# Altium PCB sanziqi.PcbDoc (part 2 of 2)
Units mil, origin at the board's own origin, x right, y up, seen from the top; angles counter-clockwise.
Board outline 5221.3 x 3930 mil, 2 copper layers (Top Layer, Bottom Layer); 136 components, 168 nets, 517 pads, 898 vias.
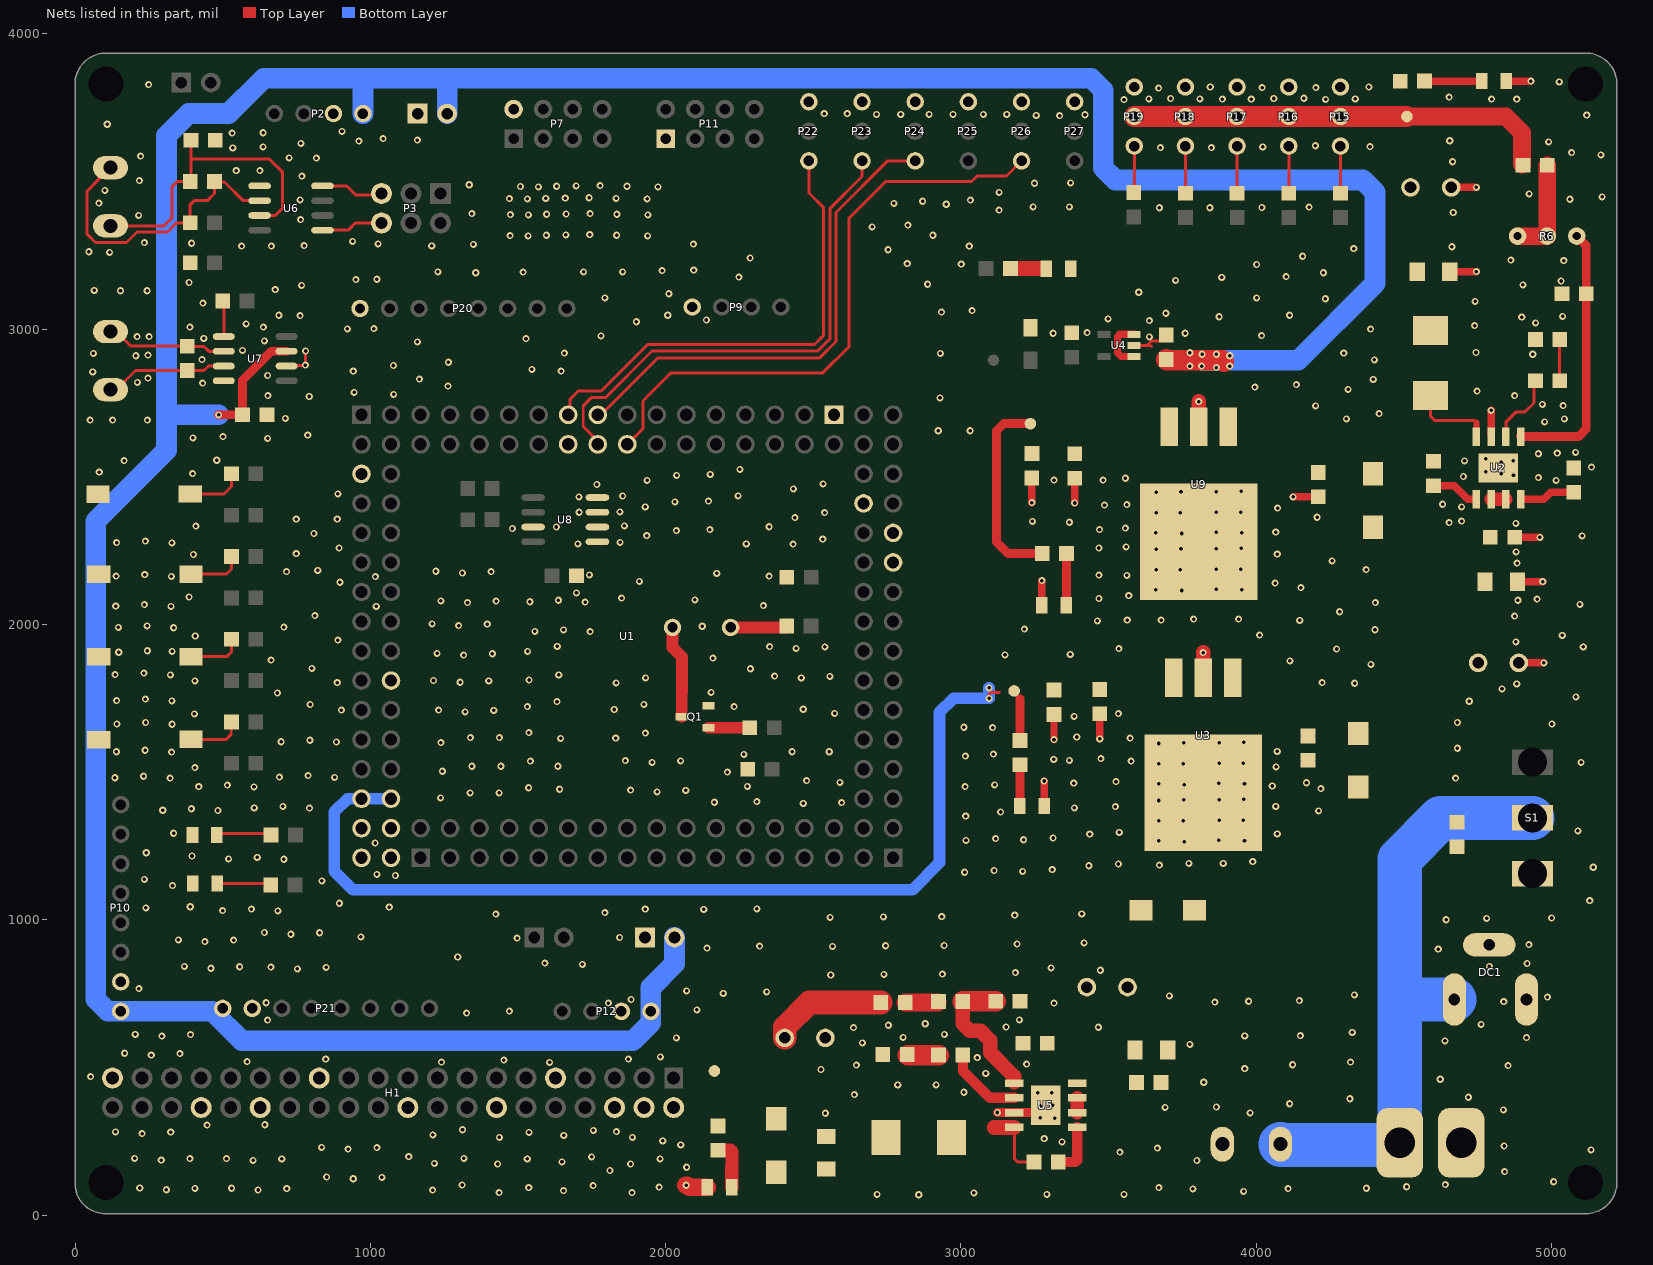
[diagram p2: the nets of this part, all layers, seen from the top]

## Via types
v1: diameter 24, hole 12, Top Layer to Bottom Layer, tented both sides, 837 vias
v2: diameter 24, hole 12, Top Layer to Bottom Layer, 61 vias

## Nets (pads, with @x,y where several pads share a name; then routed paths per layer and width w, separated by ;. In a path a pad name is that pad's centre, name@x,y a point inside that pad or via, vN(x,y) a via of type N, cw(c..) or ccw(c..) an arc to the next point about the centre after c; other vN are vias at no path point) (continued)
G11: P26.1 U1.110 | length 2042.5
  Top Layer w10: U1.110@1870,2610 1923,2663 1923,2757 1946,2780 2018,2852 2532,2852 2621.5,2941.5 2621.5,3376.5 2745,3500 3036,3500 3055,3519 3154,3519 P26.1@3205,3570
G12: P24.1 U1.111 | length 1687.2
  Top Layer w10: U1.111@1770,2710 1781,2710 1974,2903 2522,2903 2577,2958 2577,3395 2752,3570 P24.1@2845,3570
G13: P23.1 U1.112 | length 1728.1
  Top Layer w10: U1.112@1770,2610 1770,2621 1721,2670 1721,2741 1748,2768 1796,2768 1954,2926 2515,2926 2556,2967 2556,3408 2665,3517 P23.1@2665,3570
G14: P22.1 U1.113 | length 1615.7
  Top Layer w10: U1.113@1670,2710 1676,2716 1676,2763 1703,2790 1781,2790 1939,2948 2504,2948 2535,2979 2535,3411 2485,3461 P22.1@2485,3570
G15: U1.114
GND: C1.2 C3.1 C4.2 C5.1 C6.1 C8.1 C9.2 C10.1 C11.1 C12.1 C13.1 C14.2 C15.2 C16.2 C17.1 C18.1 C19.2 C20.2 C21.1 C22.1 C23.1 C24.1 C25.1 C26.1 C27.1 C28.2 DC1.2 DC1.3 DCIN1.2 H1.6 H1.9 H1.14 H1.20 H1.25 H1.30 H1.34 H1.39 LED1.2 LED2.2 LED3.2 LED4.2 LED5.2 LED6.2 LED7.2 M1.1 M2.1 M3.1 M4.1 P1.2 P2.2 P5.1 P7.2 P9.1 P10.2 P11.1 P12.2 P13.1 P15.3 P16.3 P17.3 P18.3 P19.3 P20.1 P21.2 P22.3 P23.3 P24.3 P25.3 P26.3 P27.3 Q1.2 R1.1 R3.1 R7.1 R22.2 R26.2 R39.1 SW1.2 SW2.2 SW3.2 SW4.2 U1.29 U1.30 U1.31 U1.32 U1.85 U1.88 U1.95 U2.0 U2.7 U3.2 U3.4 U4.2 U5.0 U5.7 U6.5 U7.2 U7.8 U8.1 U8.2 U8.3 U8.4 U8.7 U9.2 U9.4 | length 1840
  Top Layer w10: U7.2@716.26,2875 717.76,2876.5 778.5,2876.5 v1(780,2878) 780.5,2878.5 780.5,2925.5 v1(781,2926) ; U4.2@3586.18,2945 3630,2945 ; 3645,2942 3642,2945 3630,2945 ; C14.2@3695,2980 3675,2960 3645,2960 3630,2945
  Top Layer w25: v1(3240,2412.35) C24.1@3240,2496 ; LED7.2@3273.65,2065 v1(3273.65,2148.65) ; LED3.2@3281.35,1386.35 v1(3281.35,1470) ; v1(3315,1610) C13.1@3315,1693.65 ; v1(3385,2411.35) C23.1@3385,2495 ; v1(3469.9,1612.3) C12.1@3469.9,1695.95 ; v1(4124.9,2432.3) C22.1@4208.55,2432.3 ; C8.1@4661.35,3195 v1(4745,3195) ; C9.2@4661.35,3480 v1(4745,3480) ; U2.7@4795,2641.35 v1(4795,2725) ; LED2.2@4846.35,3840 v1(4930,3840) ; C6.1@4876.35,2295 v1(4960,2295) ; C5.1@4886.35,2145 v1(4970,2145) ; C4.2@4890.25,1870 v1(4973.9,1870)
  Top Layer w30: v2(3123.5,347.5) 3124,347 U5.7@3180.7,347 3262,347 U5.0@3287,372
  Top Layer w50: U9.2@3805,2671.26 v1(3805,2754.91) ; U3.2@3820,1821.26 v1(3820,1904.91)
  Top Layer w60: v1(2069,101) 2072.79,101 2079.79,94 LED1.2@2140.65,94
  other v1: 2857,69 2716,70 3291,70 3552,70 3044,75 1436,76 1886,76 3957,80 1654,83 620,85 1210.74,84.89 309.11,85.74 3785,89 717,90 4108,90 406.11,90.74 530,91 4373,91 219.11,91.74 1536.26,93.11 3670,93 1978,95 4509,96 1754.26,100.11 1311,102 4640,103 5007,113 942,123 1039,128 852,129 4841,147 1811,151 2071,162 1431,173 1881,173 1216.74,174.89 1649,180 602.89,185.26 3799.01,184.91 292,186 699.89,190.26 1531.26,190.11 1981.26,190.11 389,191 512.89,191.26 202,192 1317,192 1749.26,197.11 1130,198 3538,213 5134,221 924.89,223.26 3665,227 1021.89,228.26 834.89,229.26 4839,234 2051,238 3342,248 1990,251 3282,259 1437,263 1887,263 1655,270 1211.74,271.89 227,276 1537.26,280.11 324,281 137,282 1833,283 1755.26,287.11 1312,289 447,305 643,306 2541,345 3979,346 4837,356 3691,365 3865,366 4113,377 4317,394 4718,399 2639,408 3010,416 2786,441 2916,441 3822,450 4623,460 53,469 3084,480 2526,493 3961,496 4853,506 2646,508 4123,509 3222,511 1607,517 1241,518 4319,518 583,520 1452,525 849,528 1874,528 3055,533 1982,536 258,542 355,547 168,548 3775,578 2666,583 4639,590 2036,600 4915,601 2804,602 294,606 3961,607 4149,608 391,611 204,612 2944,612 4325,619 2636,635 3465,636 3153,637 2754,643 4761,646 2879,648 652,660 3198,661 1326,684 1471,691 2106,695 1806,718 3315,718 647,719 3860,721 4838,723 3974,724 4146,726 1883,730 4986,738 3706,742 4332,746 2195,751 2342,756 2071,759 216,767 2559,813 2739,815 2937,816 3184,821 3472,829 753,834 460,836 3305,837 850,839 663,840 557,841 370,842 4789,842 1718,849 4917,852 1591,853 1296,874 4616,901 2140,904 2565,910 2318,911 2745,912 2943,913 4923,916 3190,918 3417,922 440,926 537,931 350,932 1497,938 1844,940 968,942 731,951 828,956 641,957 4643,1000 4780,1005 5000,1006 2557,1008 2737,1010 2935,1011 3182,1016 1425,1019 3409,1020 1794,1024 687,1030 500,1031 2129,1035 597,1036 1931,1036 2309,1037 240,1040 1064,1043 390,1044 895,1056 5129,1065 330,1116 836,1132 235,1137 1085,1150 1022,1154 3012.01,1160.91 3209.01,1163.91 3112.01,1166.91 3309.01,1169.91 5141,1178 3433.01,1182.91 3672.01,1184.91 3533.01,1188.91 3772.01,1190.91 3888.01,1190.91 3988.01,1196.91 707,1205 520,1206 617,1211 396,1216 241,1227 1016,1260 3017.01,1268.91 3212.01,1270.91 3117.01,1274.91 3312.01,1276.91 3436.01,1289.91 4071,1291 334,1293 3536.01,1295.91 5089,1301 3016,1351 3134,1365 4211,1369 484,1370 297,1371 394,1376 794,1378 607,1379 3384,1379 3523,1383 704,1384 4066,1384 2466,1394 2596,1397 2165,1398 2309,1400 1237.74,1412.89 1338,1430 1435.74,1429.89 1971,1433 2068,1438 1881,1439 1641,1442 4219,1444 1536,1447 606,1450 419,1451 3014,1451 2277,1452 4054,1453 516,1456 3114,1457 3382,1463 4170,1464 2590,1465 3525,1468 2477,1471 322,1480 4675,1480 135,1481 879,1482 692,1483 232,1486 789,1488 2209,1500 1243.74,1502.89 406,1515 4067,1518 1344,1520 1441.74,1519.89 1635,1520 1953.89,1533.26 5100,1533 1542,1537 3576,1537 2050.89,1538.26 1863.89,1539.26 3367,1540 3314,1543 3474,1546 3015,1554 2265,1560 3110,1561 327,1568 140,1569 2428,1569 2554,1569 4071,1570 237,1574 4681,1581 1238.74,1599.89 885,1602 698,1603 795,1608 1644,1614 1831,1615 3573,1615 1339,1617 1436.74,1616.89 3392,1619 1931.26,1632.11 1537,1634 3107,1651 3010,1652 329,1662 142,1663 5001,1663 239,1668 4681,1668 3383,1689 404,1697 3533,1698 2572,1699 1321,1704 1418,1709 902,1710 1231,1710 1826,1712 2466,1713 1531.74,1721.89 2232,1722 796,1729 1926.26,1729.11 1632,1739 4721,1740 328,1741 141,1742 238,1747 5082,1755 685,1768 2154,1770 4832,1782 4882,1799 4333,1801 1832,1802 888,1803 4223,1803 1303.89,1804.26 406,1809 1400.89,1809.26 1213.89,1810.26 1537.74,1811.89 1932.26,1819.11 2459,1819 2556,1824 2369,1825 323,1829 1638,1829 136,1830 233,1835 2287,1850 802,1851 4388,1865 4114,1877 664,1879 2160,1886 1316,1896 3149,1897 3370,1899 1413,1901 1226,1902 148,1906 329,1909 1532.74,1908.89 245,1911 4272,1917 3535,1918 2441.89,1919.26 2538.89,1924.26 5107,1924 2351.89,1925.26 1633,1926 4879,1941 890,1947 407,1961 5036,1963 4011,1964 1744.11,1975.74 1557.11,1976.74 1654.11,1981.74 4402,1982 3215,1984 334,1989 147,1990 707,1991 2124,1994 244,1995 1298.89,1996.26 1395.89,2001.26 1208.89,2002.26 3462,2012 4147,2014 3563,2015 3678,2015 3788,2018 3940,2018 4875,2028 812,2030 4282,2043 325,2061 1020,2061 138,2062 2331,2064 235,2067 5096,2068 1329,2074 4403,2074 1727,2076 1540,2077 1426,2079 1239,2080 1637,2082 4886,2082 2099,2083 4951,2086 3467,2088 1851,2089 386,2093 3568,2098 1698,2107 4151,2125 4064,2140 897,2143 1911,2146 1017,2162 326,2163 139,2164 2350,2164 3562,2166 3467,2167 1742,2168 236,2169 2173,2173 1311.89,2174.26 716,2179 1408.89,2179.26 1221.89,2180.26 822,2183 4372,2186 4883,2208 4257,2215 401,2237 4071,2238 749,2240 4880,2246 894,2259 3467,2259 3559,2263 2431.74,2271.89 1703,2273 2273,2273 328,2276 141,2277 1846,2278 238,2282 2532,2289 5103,2300 1936,2301 809,2308 4066,2313 2036.26,2318.11 2150,2321 3469,2321 1481,2325 3557,2326 1630,2330 2350,2331 409,2333 1860,2334 4879,2342 4653,2345 3367,2346 3242,2349 4695,2350 749,2357 888,2357 2437.74,2361.89 4206,2363 2538,2379 1707,2380 1845,2381 4072,2394 1931,2398 4695,2398 3486,2404 3562,2406 4631,2407 2031.26,2415.11 2145,2418 1706,2432 1854,2435 2245.26,2435.11 890,2442 2432.74,2458.89 1767,2474 2533,2476 1937,2488 5015,2488 3315,2489 3481,2489 3557,2495 4955,2497 4701,2501 2037.26,2505.11 2151,2508 398,2511 82,2516 2251.26,2525.11 5135,2533 4705,2554 166,2555 480,2556 4955,2578 5019,2580 5081,2583 652,2630 399,2632 501,2636 788,2641 2923,2656 3031,2656 4976,2686 51,2692 127,2692 245,2692 4305,2696 5043,2696 712,2698 4416,2714 4201,2740 5039,2741 4969,2745 2929,2767 793,2772 653,2775 4875,2775 1079,2779 945,2786 4748,2790 4311,2796 3995,2804 1263,2807 4136,2812 432,2817 211,2820 4396,2830 1166,2831 247,2834 652,2843 60,2855 942,2858 1646,2858 1547,2864 1078,2877 1264,2888 4400,2896 430,2897 206,2910 247,2912 4936,2915 62,2918 2930,2918 1657,2919 4296,2919 4744,2921 567,2928 1159,2957 641,2960 1527,2968 436,2969 3638,2974 210,2975 251,2975 1781,2977 4018,2978 3312,2986 3759,2986 3427,2988 4387,3000 922,3001 1012,3002 389,3007 638,3007 4739,3012 579,3018 4946,3021 1901,3025 3638,3029 2138,3031 3498,3035 4899,3041 3874,3042 5037,3043 762,3046 690,3047 2007,3047 4113,3047 3694,3054 2934,3058 3038,3063 433,3088 4741,3094 4234,3103 1794,3106 4001,3106 2011,3120 3602,3125 154,3130 244,3130 65,3131 678,3134 767,3148 4903,3150 2887,3152 386,3158 5032,3163 3727,3165 951,3168 1022,3169 3883,3175 2248,3176 4101,3178 1357,3191 4227,3191 1517,3193 1229,3194 1722,3194 1854,3194 1988,3198 2095,3200 4001,3219 3001,3220 2818,3222 5041,3232 4862,3234 2286,3241 4157,3247 117,3260 47,3262 2753,3269 4330,3273 4662,3279 564,3281 665,3281 3028,3281 1208,3282 776,3283 1349,3287 2094,3288 1026,3289 395,3291 235,3293 940,3297 1534,3316 1939,3316 1473,3317 1596,3318 1834,3318 2905,3318 1662,3319 1743,3320 2699,3346 2820,3352 764,3371 215,3385 1535,3387 1940,3387 1474,3388 1597,3389 1835,3389 1663,3390 1344,3391 1744,3391 4667,3395 3129,3403 3672,3411 3843,3411 4019,3412 4179,3413 3244,3414 3367,3414 2950,3423 2773,3426 81,3427 2870,3433 3032,3437 762,3438 5062,3440 1532,3441 1937,3441 1471,3442 1594,3443 1832,3443 1660,3444 1741,3445 5171,3448 4924,3458 3129,3463 101,3470 1569,3482 1974,3482 1508,3483 1631,3484 1869,3484 1697,3485 1778,3486 1335,3489 3249,3494 3371,3495 218,3503 768,3518 546,3537 626,3537 4665,3567 817,3579 725,3580 222,3586 5167,3590 5068,3598 534,3614 3675,3615 3848,3615 637,3617 4022,3617 4385,3618 4200,3621 765,3629 4990,3634 961,3637 4655,3638 1159,3640 1043,3645 532,3664 637,3665 904,3670 109,3694 3334,3723 3255,3724 5119,3725 3420,3726 2714,3727 2796,3727 2892,3727 2973,3727 3076,3727 3155,3727 2537,3730 2615,3730 3552,3777 4235,3778 3885,3779 3983,3779 4797,3779 4882,3779 3636,3780 3809,3780 4335,3780 3710,3781 4059,3781 4161,3782 4653,3786 3669,3816 4020,3818 4202,3818 3844,3820 4381,3820 249,3828 5026,3837
  other v2: 3317,328 3268,329 3268,371 3311,372 3260,415 3308,415 3756,1265 3669,1267 3960,1267 3873,1269 3670,1335 3752,1335 3874,1337 3956,1337 3670,1404 3754,1406 3874,1406 3958,1408 3756,1458 3669,1460 3960,1460 3873,1462 3670,1528 3752,1528 3874,1530 3956,1530 3670,1597 3754,1599 3874,1599 3958,1601 3747,2115 3660,2117 3951,2117 3864,2119 3661,2185 3743,2185 3865,2187 3947,2187 3661,2254 3745,2256 3865,2256 3949,2258 3747,2308 3660,2310 3951,2310 3864,2312 3661,2378 3743,2378 3865,2380 3947,2380 3661,2447 3745,2449 3865,2449 3949,2451 4871,2506 4830,2510 4777,2517 4830,2550 4870,2555 4777,2561
MCU_3V3: U1.83
NetB1_1: B1.1 R20.2 | length 192.1
  Top Layer w10: R20.2@2405,1990 R20.2@2410,1995
  Top Layer w40: B1.1@2220,1990 R20.2@2405,1990
NetB1_2: B1.2 Q1.3 | length 316
  Top Layer w40: B1.2@2023.15,1990 2023.15,1921.85 2055,1890 2055,1770 2054.45,1769.45 Q1.3@2054.45,1687.4
NetC1_1: C1.1 C25.2 C26.2 D1.K U5.2 U5.3 | length 50
  Top Layer w45: U5.2@3393.3,347 U5.3@3393.3,397
NetC2_1: C2.1 U5.1 | length 177.3
  Top Layer w35: C2.1@3329.7,179.9 3387.44,179.9 3393.3,185.76 U5.1@3393.3,297
NetC2_2: C2.2 L1.1 U5.8 | length 250
  Top Layer w10: 3109,293 3113,297 ; U5.8@3180.7,297 3180.7,191.3 3192,180 C2.2@3247,180
  Top Layer w50: 3113,297 U5.8@3180.7,297
NetC3_2: C3.2 D2.A L1.2
NetC7_1: C7.1 U2.1 | length 164.2
  Top Layer w25: C7.1@4600,2470 4670,2470 4716.3,2423.7 U2.1@4745,2423.7
NetC7_2: C7.2 L2.1 U2.8 | length 281.2
  Top Layer w10: L2.1@4590,2774.76 4590,2705 4605,2690 4739.14,2690 4745,2684.14
  Top Layer w20: U2.8@4745,2636.3 4745,2684.14
NetC10_2: C10.2 R4.2 | length 139.9
  Top Layer w10: R4.2@5027.3,2825.2 5027.3,2964.5 C10.2@5027.7,2964.9
NetC11_2: C11.2 D3.K U3.1
NetC22_2: C22.2 D4.K U9.1
NetC27_2: C27.2 R2.2 | length 106.6
  Top Layer w10: C27.2@2818,543.94 C27.2@2820.14,541.8
  Top Layer w70: C27.2@2820.14,541.8 R2.2@2923.7,541.8
NetLED1_1: LED1.1 R40.1 | length 170.1
  Top Layer w45: R40.1@2177.2,219.7 2218.7,219.7 2224.56,213.84 2224.56,165.8 2223.35,164.59 LED1.1@2223.35,94
NetLED2_1: LED2.1 R9.1 | length 195.7
  Top Layer w10: LED2.1@4758.65,3845 LED2.1@4763.65,3840
  Top Layer w25: R9.1@4575.32,3840 LED2.1@4763.97,3840
NetLED3_1: LED3.1 R10.1 | length 143
  Top Layer w10: LED3.1@3200,1392.3 LED3.1@3207.3,1385
  Top Layer w30: LED3.1@3200,1392.3 R10.1@3200,1525
NetLED4_1: LED4.1 R11.1 | length 122
  Top Layer w10: LED4.1@3282.5,3205.2 LED4.1@3287.3,3210
  Top Layer w50: R11.1@3167.3,3205.2 LED4.1@3282.5,3205.2
NetLED5_1: LED5.1 R23.1 | length 183.5
  Top Layer w10: LED5.1@481.35,1123 657.5,1123 R23.1@662.7,1117.8
NetLED6_1: LED6.1 R24.1 | length 189.1
  Top Layer w10: LED6.1@484,1292 659,1292 R24.1@669,1282
NetLED7_1: LED7.1 R37.1 | length 176.3
  Top Layer w10: LED7.1@3357.3,2067.7 LED7.1@3360,2065
  Top Layer w30: LED7.1@3357.3,2067.7 R37.1@3357.3,2240.2
NetP6_1: P6.1 R26.1 R27.2 U6.7 | length 1072.9
  Top Layer w10: P6.1@120,3350 301,3350 329,3378 329,3483 346,3500 R27.2@390,3500 392.7,3502.7 392.7,3576 ; R26.1@392.7,3639.8 392.7,3576 ; U6.7@625,3385 678,3385 703,3410 703,3531 658,3576 392.7,3576
NetP6_2: P6.2 R25.2 R27.1 U6.6 | length 1027.3
  Top Layer w10: P6.2@120,3546.85 118.92,3546.85 87.16,3515.1 87.16,3514.01 41,3467.85 41,3321 69,3293 174,3293 210,3329 313,3329 344,3360 R25.2@390,3360 390,3421 404,3435 448,3435 472.3,3459.3 R27.1@472.3,3500.2 473.94,3498.56 506.44,3498.56 570,3435 U6.6@625,3435
NetP8_1: P8.1 R28.2 U7.7 | length 416.9
  Top Layer w10: P8.1@120,2795 139.68,2795 204.68,2860 R28.2@380,2860 437,2860 452,2875 U7.7@503.74,2875
NetP8_2: P8.2 R28.1 U7.6 | length 411.4
  Top Layer w10: P8.2@120,2991.85 139.68,2991.85 189.24,2942.3 R28.1@379.8,2942.3 381.1,2941 437,2941 453,2925 U7.6@503.74,2925
NetP15_1: P15.1 R32.2 | length 160
  Top Layer w10: R32.2@4285,3460 P15.1@4285,3620
NetP16_1: P16.1 R33.2 | length 160
  Top Layer w10: R33.2@4110,3460 P16.1@4110,3620
NetP17_1: P17.1 R34.2 | length 160
  Top Layer w10: R34.2@3935,3460 P17.1@3935,3620
NetP18_1: P18.1 R35.2 | length 160
  Top Layer w10: R35.2@3760,3460 P18.1@3760,3620
NetP19_1: P19.1 R36.2 | length 167
  Top Layer w10: R36.2@3578.79,3456.29 R36.2@3584.8,3462.3 3586.81,3464.31 P19.1@3586.81,3620
NetQ1_1: Q1.1 R21.2 | length 141.9
  Top Layer w10: R21.2@2274.8,1645.2 R21.2@2285,1635
  Top Layer w40: Q1.1@2145,1650 R21.2@2272.5,1650
NetR1_2: R1.2 U5.4
NetR2_1: R2.1 U5.6 | length 265.8
  Top Layer w35: R2.1@3006,542 3006.62,541.38 3006.62,488.38 3098,397 U5.6@3180.7,397
NetR3_2: R3.2 U2.4 | length 190.1
  Top Layer w25: U2.4@4895,2423.7 4973.7,2423.7 4997.7,2447.7 R3.2@5075.2,2447.7
NetR4_1: R4.1 U2.6 | length 247.7
  Top Layer w10: U2.6@4845,2636.3 4845,2685 4880,2720 4910,2720 4940,2750 4940,2820 R4.1@4945,2825
NetR5_1: R5.1 R6.1 R6.ADJ | length 340
  Top Layer w60: R6.1@4885,3315 R6.ADJ@4985,3315 R5.1@4985,3555
NetR6_2: R6.2 R7.2 U2.5 | length 899.1
  Top Layer w30: U2.5@4895,2636.3 5091.3,2636.3 5117.3,2662.3 R7.2@5117.3,3120.2 5117.3,3282.7 R6.2@5085,3315
NetR8_1: R8.1 R38.2 | length 114.2
  Top Layer w10: R38.2@2921,720 R38.2@2924,723
  Top Layer w60: R8.1@2811,720 R38.2@2921,720
NetR12_2: R12.2 SW1.1 | length 187.4
  Top Layer w10: SW1.1@392.31,1890.79 513.79,1890.79 530,1907 R12.2@530,1950
NetR13_2: R13.2 SW2.1 | length 186.9
  Top Layer w10: SW2.1@392.31,2170.79 513.29,2170.79 530,2187.5 R13.2@530,2229.8
NetR14_2: R14.2 SW3.1 | length 193.1
  Top Layer w10: SW3.1@390.31,2441.79 504.79,2441.79 530,2467 R14.2@530,2510
NetR15_2: R15.2 SW4.1 | length 186
  Top Layer w10: SW4.1@392.31,1610.79 511.79,1610.79 529,1628 529,1668.8 R15.2@530,1669.8
NetR29_1: R29.1 U7.5 | length 121.5
  Top Layer w10: R29.1@500,3095 503.74,3091.26 U7.5@503.74,2975
NetR38_1: R38.1 R39.2 U5.5 | length 481.3
  Top Layer w45: U5.5@3180.7,447 3180.7,468.99
  Top Layer w50: R38.1@3006.3,723.2 3006.3,647.7 3030,624 3066,624 3099,591 3099,550.69 3180.7,468.99
  Top Layer w70: R38.1@3006.3,723.2 3007.1,724 3117.5,724 R39.2@3117.7,723.8
NRST: U1.20
RS485_RX: P3.5 U6.4 | length 213.8
  Top Layer w10: U6.4@838,3485 920,3485 950,3455 1033.42,3455 P3.5@1037.64,3459.21
RS485_TX: P3.6 U6.1 | length 209.7
  Top Layer w10: U6.1@838,3335 925,3335 949.21,3359.21 P3.6@1037.64,3359.21
VBAT: C4.1 C5.2 C6.2 C18.2 D1.A D3.A D4.A S1.3 U2.2 U2.3 | length 50
  Top Layer w45: U2.2@4795,2423.7 U2.3@4845,2423.7
VCBAT: U1.5
VCC: DC1.1 DCIN1.1 P1.1 S1.2 | length 2062.9
  Bottom Layer w25: 4485.67,725.34 4490.34,730.01
  Bottom Layer w150: P1.1@4081.85,240 4084.35,237.5 4478.17,237.5 DCIN1.1@4485.67,245 4485.67,725.34 4485.67,1205.67 4625,1345 S1.2@4935,1345 ; 4490.34,730.01 DC1.1@4670.92,730.01
VCC_5V: C14.1 C20.1 C23.2 C24.2 P2.1 P5.2 P10.1 P12.1 P13.2 P21.1 R37.2 T6.1 U4.1 U4.3 U7.3 U9.3 | length 12624
  Top Layer w25: U4.1@3586.18,2907.6 3542.6,2907.6 3530,2920.2 3530,2975 3537.4,2982.4 U4.3@3586.18,2982.4
  Top Layer w30: v1(486,2710) C20.1@567,2710 567,2827 665,2925 U7.3@716.26,2925 ; T6.1@3235,2680 3145,2680 3120,2655 3120,2280 3160,2240 R37.2@3275,2240
  Top Layer w70: C14.1@3694.9,2897.3 3697.2,2895 3770,2895 ; 3780,2895 3883.76,2895 3889.62,2889.14
  Bottom Layer w70: v1(486,2710) 315,2710 310,2715 ; P2.1@975,3730 975,3835 ; P5.2@1260,3730 1260,3850 ; P13.2@2030,940 2030,850.86 1950,770.86 P12.1@1950,690 1950,651.01 1888.99,590 565,590 465,690 P10.1@155,690 111.01,690 70,731.01 70,2350 310,2590 310,2715 ; 3816.78,2895 4141.9,2895 4401.9,3155 4401.9,3463.99 4360.89,3505 3522.9,3505 3481.9,3546.01 3481.9,3808.99 3440.89,3850 1260,3850 ; 310,2715 310,3655 385,3730 520,3730 640,3850 1260,3850
  other v1: 3865,2870 3775,2875 3815,2875 3910,2875 3910,2910 3816.78,2915.09 3865,2915 3775,2920
VCC_5V_MCU: C12.2 C13.2 R10.2 T4.1 U1.27 U1.28 U3.3 | length 3482.8
  Top Layer w10: v1(3095,1750) 3095,1764.14 3100.86,1770 3130,1770 ; T4.1@3180,1775 3180,1767.05 3199.8,1747.25
  Top Layer w30: R10.2@3199.8,1607.3 3199.8,1747.25
  Bottom Layer w40: U1.28@1070,1410 U1.27@970,1410 923,1410 878,1365 878,1165 941,1102 2836,1102 2927,1193 2927,1702 2975,1750 v1(3095,1750) v1(3095,1785)
VCC_Servo: C8.2 C9.1 L2.2 P15.2 P16.2 P17.2 P18.2 P19.2 R5.2 R9.2 T2.1 | length 1447.3
  Top Layer w10: R5.2@4900,3557.5 R5.2@4902.7,3554.8
  Top Layer w60: T2.1@4510,3720 4845,3720 4900,3665 R5.2@4900,3557.5
  Top Layer w70: P19.2@3586.81,3720 P18.2@3760,3720 P17.2@3935,3720 P16.2@4110,3720 P15.2@4285,3720 T2.1@4510,3720
VCC_smp_5V: C28.1 D2.K H1.2 H1.4 R8.2 R40.2 T1.1 | length 396.4
  Top Layer w80: C28.1@2403.1,600 2403.1,636.1 2486.8,719.8 R8.2@2728.7,719.8
pads on no net: H1.1 H1.3 H1.5 H1.7 H1.11 H1.12 H1.13 H1.15 H1.16 H1.17 H1.18 H1.19 H1.21 H1.22 H1.23 H1.24 H1.26 H1.27 H1.28 H1.29 H1.31 H1.32 H1.33 H1.35 H1.36 H1.37 H1.38 H1.40 P7.4 P7.5 P7.6 P10.5 P10.6 P10.7 S1.1 U1.90 U4.4

## Polygon pours and split planes (outlines as drawn)
GND on Top Layer "GND_L01_P051" (solid, remove dead copper, pour order 51): 50,3950 5199,3950 5233,3916 5233,57 5167,-9 79,-9 -11,81 -11,3888 1,3900
NetC3_2 on Top Layer "NETC3_2_L01_P042" (solid, remove dead copper, pour order 42): 2669,361 2675,361 2804,361 2829,336 2829,177 2832,174 2795,137 2669,137 2598,66 2325,66 2293,98 2293,207 2314,228 2606,228 2644,266 2644,361
NetC2_2 on Top Layer "NETC2_2_L01_P040" (solid, remove dead copper, pour order 40): 3130.86,316.86 3137,323 3219,323 3229,313 3229,231 3284,231 3291,224 3291,143 3272,124 3133,124 3093,164 2895,164 2874,185 2874,324 2908,358 3069,358 3087.28,339.72
NetR1_2 on Top Layer "NETR1_2_L01_P047" (solid, remove dead copper, pour order 47): 3266,631 3267,630 3382,630 3454,558 3454,457 3433.5,436.5 3433.5,425 3355,425 3351,421 3247,525 3247,634
VCC_smp_5V on Top Layer "VCC_SMP_5V_L01_P046" (solid, remove dead copper, pour order 46): 2103,527 2110,534 2241,534 2241,274 2220,253 2216,257 2093,257 2052,298 2048,294 1885,294 1870,309 1870,406 1879,415 2075,415 2082,422 2082,524
VCC_smp_5V on Top Layer "VCC_SMP_5V_L01_P045" (solid, remove dead copper, pour order 45): 2289,254 2465,254 2467,252 2475,260 2475,671 2438,708 2263,708 2256,701 2197,701 2103,607 2103,447 2128,422 2276,422 2276,258 2277,257
NetC1_1 on Top Layer "NETC1_1_L01_P039" (solid, remove dead copper, pour order 39): 3559,1115 3650,1115 3665,1100 3665,829 3644,808 3644,501 3634,491 3635,490 3635,319 3355,319 3347,327 3347,417 3355,425 3512,425 3515,428 3515,1101
NetC22_2 on Top Layer "NETC22_2_L01_P021" (solid, remove dead copper, pour order 21): 4480,2450 4300,2450 4275,2475 4115,2475 4025,2565 3855,2565 3850,2570 3850,2755 3865,2770 4090,2770 4215,2645 4450,2645 4480,2615
VCC_Servo on Top Layer "VCC_SERVO_L01_P018" (solid, remove dead copper, pour order 18): 4660,2925 4680,2945 4680,3045 4600,3125 4600,3700 4595,3705 4595,3740 4535,3800 4535,3910 4520,3925 4440,3925 4425,3910 4425,2975 4475,2925
NetC7_2 on Top Layer "NETC7_2_L01_P017" (solid, remove dead copper, pour order 17): 4775,2605 4760,2590 4670,2590 4655,2575 4655,2525 4640,2510 4550,2510 4540,2520 4540,2680 4490,2730 4490,2835 4505,2850 4665,2850 4685,2830 4685,2705 4690,2700 4755,2700 4775,2686.67
VCC_5V on Top Layer "VCC_5V_L01_P034" (solid, remove dead copper, pour order 34): 3735,2950 3915,2950 3915,2830 3730,2830
VCC_5V on Top Layer "VCC_5V_L01_P024" (solid, remove dead copper, pour order 24): 3760,2660 3760,2585 3735,2560 3655,2560 3630,2535 3180,2535 3165,2550 3165,2745 3205,2785 3445,2785 3530,2870 3530,2915 3540,2925 3745,2925 3750,2920 3750,2850 3730,2830 3600,2830 3480,2710 3335,2710 3335,2645 3525,2645 3640,2760 3755,2760
3V3 on Top Layer "3V3_L01_P025" (solid, remove dead copper, pour order 25): 3485,2945 3525,2945 3525,2885 3515,2875 3455,2875 3435,2855 3315,2855 3295,2835 3065,2835 3040,2860 3040,2910 3070,2940 3170,2940 3190,2960 3325,2960 3330,2955 3475,2955
VCC_5V_MCU on Top Layer "VCC_5V_MCU_L01_P020" (solid, remove dead copper, pour order 20): 3775,1750 3735,1710 3575,1710 3550,1735 3060,1735 3060,1855 3130,1855 3555,1855 3620,1920 3760,1920 3775,1905
NetC11_2 on Top Layer "NETC11_2_L01_P019" (solid, remove dead copper, pour order 19): 4415,1580 4405,1570 4135,1570 4085,1620 4085,1655 4020,1720 3880,1720 3865,1735 3865,1900 3885,1920 4045,1920 4120,1845 4200,1765 4405,1765 4415,1755
VBAT on Top Layer "VBAT_L01_P006" (solid, remove dead copper, pour order 6): 4521.43,2310 4810,2310 4810,2055 4533.57,2055
VBAT on Top Layer "VBAT_L01_P005" (solid, remove dead copper, pour order 5): 4450,2060 4450,2230 4325,2230 4260,2295 4260,2390 4285,2415 4545,2415 4615,2345 4615,2125
VBAT on Top Layer "VBAT_L01_P004" (solid, remove dead copper, pour order 4): 4327,1171.88 4327,1480 4605,1480 4490,1365 4490,1153.08
VBAT on Top Layer "VBAT_L01_P003" (solid, remove dead copper, pour order 3): 4245,1525 4245,1385 4270,1360 4510,1360 4510,1525
VBAT on Top Layer "VBAT_L01_P002" (solid, remove dead copper, pour order 2): 3675,845 3720,800 4390,800 4635,1045 4635,1310 4326,1310 4156,1140 3737,1140 3681.3,1084.3
VBAT on Top Layer "VBAT_L01_P001" (solid, remove dead copper, pour order 1): 5085,1250 4775,1250 4730,1295 4645,1295 4645,1730 4690,1775 4775,1775 4830,1830 4830,2335 4875,2380 4875,2455 4860,2470 4765,2470 4765,2375 4450,2060 4450,1230 4635,1045 5045,1045 5085,1085
GND on Bottom Layer "GND_L02_P050" (solid, remove dead copper, pour order 50): 50,3950 69,3931 5214,3931 5243,3902 5243,92 5131,-20 5126,-15 81,-15 -16,82 -6,92 -6,3888
VCC_5V on Bottom Layer "VCC_5V_L02_P033" (solid, remove dead copper, pour order 33): 3735,2950 3735,2830 3915,2830 3915,2950

## Keep-outs
Keep-Out Layer:
  lines w50: 0,3813.43 cw(c105.78,3829.22) 90,3935 5120,3935 cw(c5118.15,3831.85) 5221.3,3830 5221.3,110 cw(c5115.65,110.65) 5115,5 100,5 cw(c100,105) 0,105 0,3835

## Other copper
Top Layer:
  pour cut-out: 2688.42,364.47 2819.42,364.47 2837.42,346.47 2837.42,141.47 2856.42,122.47 3023.42,122.47 3023.42,150.47 3027.42,154.47 3022.42,159.47 2870.42,159.47 2870.42,198.47 2866.42,202.47 2869.42,205.47 2869.42,345.47 2887.42,363.47 3025.42,363.47 3025.42,402.47 2688.42,402.47
  pour cut-out: 2688,365 2819,365 2837,347 2837,142 2856,123 3023,123 3023,151 3027,155 3022,160 2870,160 2870,199 2866,203 2869,206 2869,346 2887,364 3025,364 3025,403 2688,403
  pour cut-out: 4454,2930 4456.68,2930 4471.1,2915.58 4663.9,2915.58 4689.42,2941.1 4689,2941.52 4689,3021 4720,3021 4726,3015 4726,2751 4723,2748 4695,2748 4695,2793 4691,2797 4692.21,2798.21 4692.21,2837.21 4673.42,2856 4509.2,2856 4505,2860.2 4487.01,2842.21 4482.79,2842.21 4482.79,2750.79 4481,2749 4479,2751 4452,2751
Bottom Layer:
  pour cut-out: 2688,402 3025,402 3025,124 3023,122 3022,123 2689,123
  pour cut-out: 2688,364 2819,364 2837,346 2837,141 2856,122 3023,122 3023,150 3027,154 3022,159 2870,159 2870,198 2866,202 2887,223 2887,363 3025,363 3025,402 2688,402
  pour cut-out: 4460,3015 4722,3015 4720,3013 4720,2753 4461,2753 4460,2754

## Silkscreen, mask and mechanical layers (free items; w line width, h text height)
Top Overlay:
  lines w10: 2374,3623 2376,3625 2376,3721 ; 2376,3622 2374,3620 2550,3620 2548,3618 3433,3618 3434.21,3619.21 3434.21,3719.21 3436,3721 2376,3721 ; 3432,3819 2377,3819 2376,3818 2376,3721 ; 3450,3871 3446,3867 3446,3771 3457,3760 4334,3760 4334,3862 4325,3871 3457,3871 ; 3537.6,3669.21 4412.79,3669.21 4420,3676.42 4420,3767 4414,3761 4325,3761 ; 4334,3669.42 4334.21,3669.21
  text "A3RX" at 693.64,3855.63 h40
  text "A3" at 533.38,3845.2 h40
  text "B15" at 2206.3,3816.27 h40 r90
  text "G6" at 2315.3,3815.27 h40 r90
  text "G" at 3510,3813 h40 r90
  text "G7" at 2115.3,3811.27 h40 r90
  text "G" at 1466.06,3807.69 h40
  text "RX" at 1763,3807 h60
  text "3V3" at 2019,3802 h40 r90
  text "A2TX" at 598,3800 h40
  text "5V" at 1219.73,3797.92 h40
  text "5V" at 942,3797 h40
  text "G" at 1142.73,3796.92 h40
  text "G" at 865,3796 h40
  text "G" at 2420,3765 h40 r90
  text "A2" at 260,3738 h40
  text "Servo" at 4827,3679 h40
  text "A" at 50,3660 h60
  text "3V3" at 2428,3596 h40 r90
  text "G" at 2023,3550 h40 r90
  text "3V3" at 1744,3544 h40
  text "TX" at 1427,3542 h40
  text "3V3" at 1533,3541 h40
  text "VCC_Servo" at 4404,3540 h40 r90
  text "A2" at 1105,3520 h60
  text "RX" at 1003,3519 h60
  text "G8" at 2117.3,3518.27 h40 r90
  text "B13" at 2219,3486 h40 r90
  text "B14" at 2320,3484 h40 r90
  text "G9" at 3406,3435 h40 r90
  text "RX" at 1337,3430 h60 r90
  text "G13" at 2681.17,3411.42 h40 r90
  text "G12" at 2857.17,3411.42 h40 r90
  text "G10" at 3044.17,3410.42 h40 r90
  text "G11" at 3218.17,3408.42 h40 r90
  text "G14" at 2505.17,3407.42 h40 r90
  text "TX" at 1333,3323 h60 r90
  text "A3" at 1109,3263 h60
  text "A1" at 4306,3263 h40 r90
  text "TX" at 1016,3260 h60
  text "C9" at 3601,3235 h40 r90
  text "C7" at 3958,3233 h40 r90
  text "C8" at 3783,3231 h40 r90
  text "C6" at 4129,3223 h40 r90
  text "B" at 54,3180 h60
  text "8266" at 1266,3171 h60 r90
  text "RS485" at 1015,3143 h60 r90
  text "3V3" at 3278,3110 h40
  text "CANL" at 45,3108 h60
  text "G" at 2110,2980 h40 r90
  text "G" at 981,2975 h60 r90
  text "F1" at 1386,2951 h40 r90
  text "B8" at 2303.3,2949.27 h40 r90
  text "B9" at 2412.3,2949.27 h40 r90
  text "F5" at 1677.3,2944.27 h40 r90
  text "F4" at 1478.3,2941.27 h40 r90
  text "F3" at 1575.3,2940.27 h40 r90
  text "F0" at 1183,2938 h40 r90
  text "F2" at 1277.3,2937.27 h40 r90
  text "3V3" at 2210,2905 h40 r90
  text "3V3" at 1084,2899 h40 r90
  text "CANH" at 48,2623 h60
  text "E3" at 202.4,2528.92 h40
  text "E4" at 196,2268 h40
  text "5V" at 3437,2045 h40
  text "E6" at 194.4,1983.92 h40
  text "A0" at 202.4,1697.92 h40
  text "D12" at 2411.62,1486.87 h40
  text "INT/E14" at 225,1405 h40
  text "C3" at 537,1271 h40
  text "MCU_5V" at 3142,1193.66 h40
  text "ON / OFF" at 4783,1152 h50 r90
  text "C1" at 550,1105 h40
  text "G" at 1943,1032 h40 r90
  text "C11" at 1664.97,1015.23 h40 r90
  text "5V" at 2056.13,1013.62 h40 r90
  text "C10" at 1573,1013 h40 r90
  text "B11" at 213.4,969.92 h40
  text "-" at 4843,958.01 h70
  text "B10" at 216.4,870.92 h40
  text "G" at 219.4,769.92 h40
  text "G" at 1872,767 h40 r90
  text "C11" at 1765,759 h40 r90
  text "C10" at 1665,757 h40 r90
  text "5V" at 1974,754 h40 r90
  text "+" at 4621.66,721 h70 r90
  text "-" at 5045.99,717 h70 r90
  text "5V" at 223,673 h40
  text "G" at 610,599 h40 r90
  text "A7" at 1016.19,571.27 h40 r90
  text "C5" at 1224,571 h40 r90
  text "5V" at 519,568 h40 r90
  text "A4" at 721,567 h40 r90
  text "A5" at 819,567 h40 r90
  text "C4" at 1117,567 h40 r90
  text "A6" at 921,566 h40 r90
  text "VCC_SMP" at 2018,540.66 h40
  text "+" at 4053.83,489.36 h70 r270
  text "-" at 4715.93,453.38 h70 r180
  text "-" at 3856.07,427.62 h70
  text "+" at 4518.17,391.64 h70 r90
  text "3V3" at 1202,289 h35 r270
  text "G" at 106,283 h40 r270
  text "CLK" at 902.91,282.97 h40 r270
  text "MISO" at 1001.45,282.64 h40 r270
  text "MOSI" at 1107.86,281.59 h40 r270
  text "SCL" at 1794,277 h40 r270
  text "G" at 812,275 h40 r270
  text "G" at 1611,267 h40 r270
  text "3V3" at 1995,240 h40
  text "SDA" at 1859,235 h40
  text "5V" at 2003,158 h40
  text "5V" at 1892,157 h40
  text "RX" at 1609,155 h40 r270
  text "TX" at 1706,151 h40 r270
  text "G" at 1392.57,148.23 h40 r270
  text "CS0" at 906.55,145.1 h40 r270
  text "G" at 594.97,143.49 h40 r270
  text "CS1" at 799.91,142.11 h40 r270
  text "G" at 406,138 h40 r270
  text "G" at 1788,126 h40 r270
Bottom Overlay:
  drawing of 29295 lines, arcs and shapes, not listed
Mechanical 1:
  the board outline again, w10
Drill Drawing:
  text ".Legend" at 5500,2159.99 h60

## Dimensions
208,5 to 247,3935 on Mechanical 1
-1,148 to 5221,181 on Mechanical 1